# Altium PCB LimePSB-RPCM_1v4.PcbDoc (part 3 of 12) (continued)
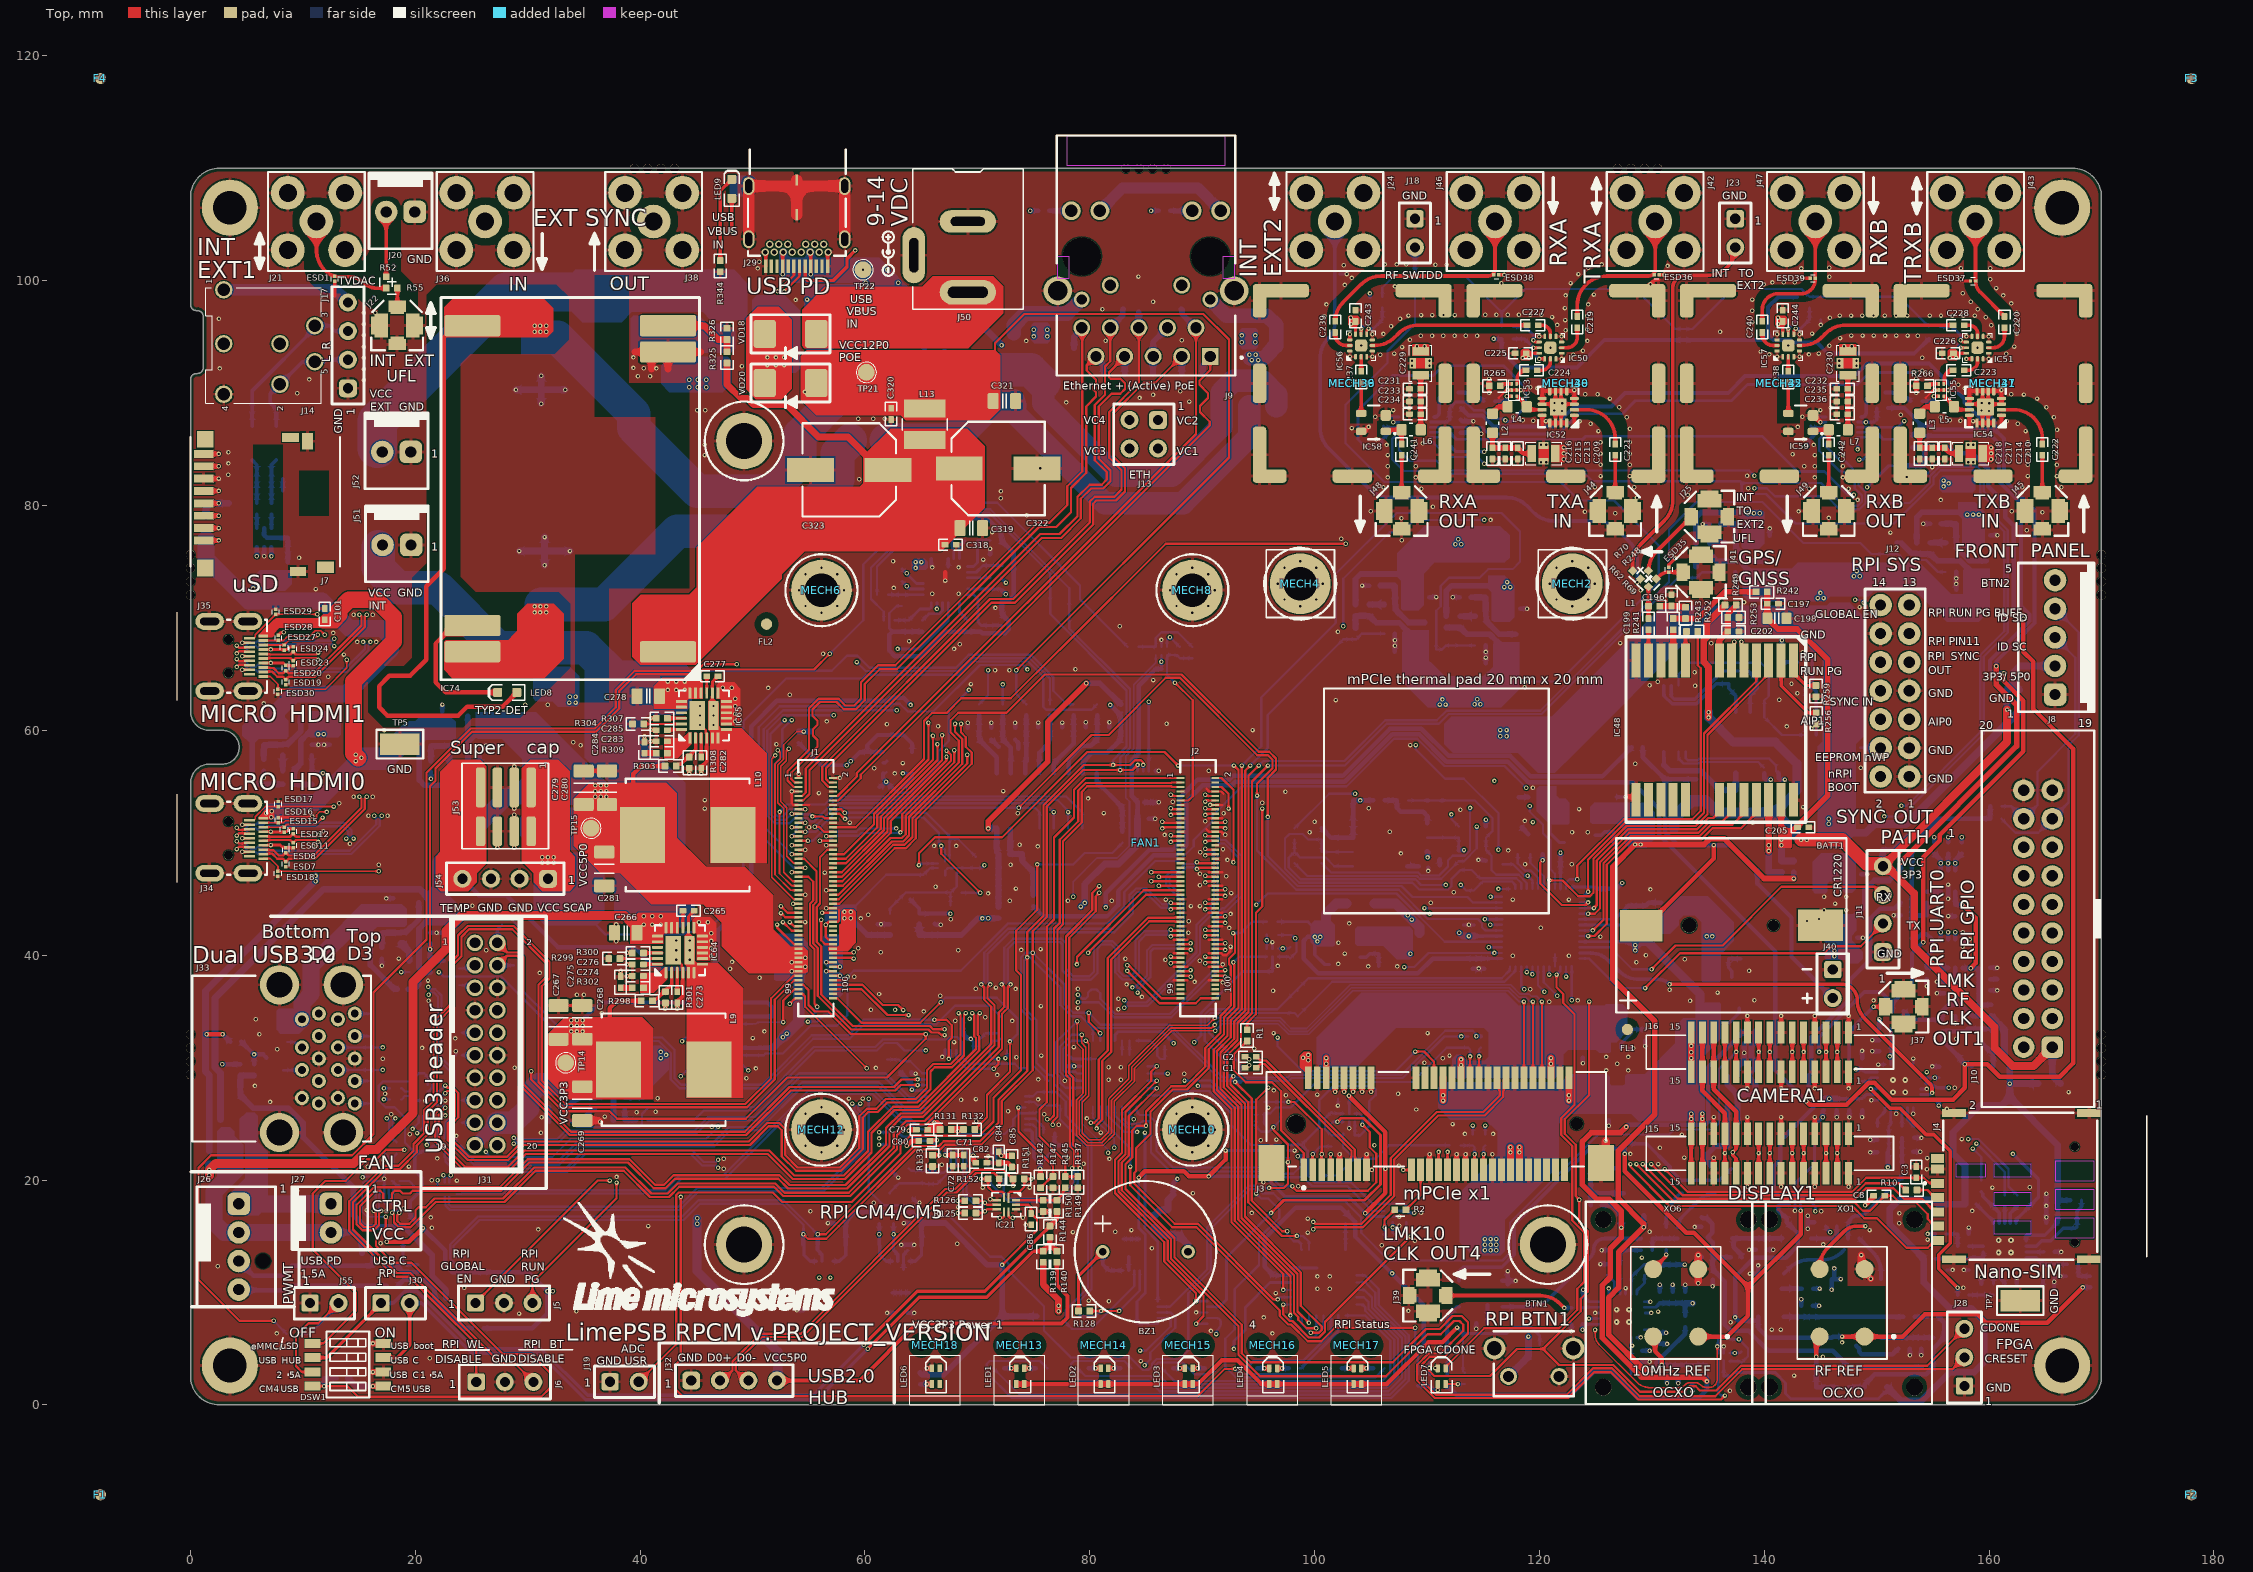
[diagram p0: Top view]
## Footprints (in the part's own frame and the unit in brackets; to place one, negate y for a bottom-side part, rotate by r counter-clockwise, add the part's x,y. Pads: shape width x height; smd on the part's side, far side on the other; paste and mask are expansions set on the pad) (continued)
SW_TACTILE_RIGHT_EDGE [mm] "part number 1825027-5"
  round 1.5 hole 1: 1(-2.25,-1.245) 2(2.25,-1.245)
  round 1.95 hole 1.3: Shield(-3.505,1.245) Shield(3.505,1.245)
  silkscreen extent -3.55,-3 3.56,2.77, body extent -4.2,-5.11 4.2,2.75, height 7
TMUX1204DGSR_ANALOG_SWITCH_10-TSSOP [mm]
  rrect25% 1.5x0.3 smd mask+0.05: 1(-2.2,1) 2(-2.2,0.5) 3(-2.2,0) 4(-2.2,-0.5) 5(-2.2,-1) 6(2.2,-1) 7(2.2,-0.5) 8(2.2,0) 9(2.2,0.5) 10(2.2,1)
  silkscreen extent -2.83,-1.5 1.5,1.62, body extent -2.45,-1.5 2.45,1.5, height 1.1
TP-SMD-LOW_PROFILE [mm] "SMD test point loop"
  rect 3.5x1.9 smd: 1(0,0)
  silkscreen extent -2.07,-1.28 2.07,1.28, body extent -1.6,-0.8 1.6,0.8, height 2
TP_PAD_1p5MM#1 [mm]
  round 1.5 smd mask+0.05: 1(0,0)
  silkscreen extent -0.9,-0.9 0.9,0.9
TP_PAD_1p5MM#2 [mm]
  round 1.5 smd paste-5 mask+0.05: 1(0,0)
  silkscreen extent -0.9,-0.9 0.9,0.9
TP_PAD_1P5MM [mm]
  round 1.5 smd paste-2 mask+0.05: 1(0,0)
  silkscreen extent -0.9,-0.9 0.9,0.9
TQP3M9018_PA_QFN16 [mm]
  rrect50% 0.8x0.3 smd mask+0.05: 1(-1.425,0.75) 2(-1.425,0.25) 3(-1.425,-0.25) 4(-1.425,-0.75) 9(1.425,-0.75) 10(1.425,-0.25) 11(1.425,0.25) 12(1.425,0.75)
  rrect50% 0.3x0.8 smd mask+0.05: 5(-0.75,-1.425) 6(-0.25,-1.425) 7(0.25,-1.425) 8(0.75,-1.425) 13(0.75,1.425) 14(0.25,1.425) 15(-0.25,1.425) 16(-0.75,1.425)
  rrect10% 1.5x1.5 smd mask+0.05: PAD(0,0)
  silkscreen extent -1.8,-1.8 1.8,1.83, body extent -1.5,-1.5 1.5,1.5, height 0.92
USB2517-JZX-TR_USB_HUB_QFN64 [mm]
  rrect50% 0.7x0.3 smd mask+0.05: 1(-4.375,3.75) 2(-4.375,3.25) 3(-4.375,2.75) 4(-4.375,2.25) 5(-4.375,1.75) 6(-4.375,1.25) 7(-4.375,0.75) 8(-4.375,0.25) 9(-4.375,-0.25) 10(-4.375,-0.75) 11(-4.375,-1.25) 12(-4.375,-1.75) 13(-4.375,-2.25) 14(-4.375,-2.75) 15(-4.375,-3.25) 16(-4.375,-3.75) 33(4.375,-3.75) 34(4.375,-3.25) 35(4.375,-2.75) 36(4.375,-2.25) 37(4.375,-1.75) 38(4.375,-1.25) 39(4.375,-0.75) 40(4.375,-0.25) 41(4.375,0.25) 42(4.375,0.75) 43(4.375,1.25) 44(4.375,1.75) 45(4.375,2.25) 46(4.375,2.75) 47(4.375,3.25) 48(4.375,3.75)
  rrect50% 0.3x0.7 smd mask+0.05: 17(-3.75,-4.375) 18(-3.25,-4.375) 19(-2.75,-4.375) 20(-2.25,-4.375) 21(-1.75,-4.375) 22(-1.25,-4.375) 23(-0.75,-4.375) 24(-0.25,-4.375) 25(0.25,-4.375) 26(0.75,-4.375) 27(1.25,-4.375) 28(1.75,-4.375) 29(2.25,-4.375) 30(2.75,-4.375) 31(3.25,-4.375) 32(3.75,-4.375) 49(3.75,4.375) 50(3.25,4.375) 51(2.75,4.375) 52(2.25,4.375) 53(1.75,4.375) 54(1.25,4.375) 55(0.75,4.375) 56(0.25,4.375) 57(-0.25,4.375) 58(-0.75,4.375) 59(-1.25,4.375) 60(-1.75,4.375) 61(-2.25,4.375) 62(-2.75,4.375) 63(-3.25,4.375) 64(-3.75,4.375)
  rect 4.7x4.7 smd mask+0.05: PAD(0,0)
  silkscreen extent -4.95,-4.95 4.95,4.95, body extent -4.5,-4.52 4.54,4.52, height 0.9
USB_POWER_DISTR_CYPD3177_QFN24 [mm]
  rect 0.781x0.239 smd paste+0 mask+0.05: 1(-1.966,1.25)
  rrect50% 0.781x0.239 smd paste+0 mask+0.05: 2(-1.966,0.75) 3(-1.966,0.25) 4(-1.966,-0.25) 5(-1.966,-0.75) 6(-1.966,-1.25) 13(1.966,-1.25) 14(1.966,-0.75) 15(1.966,-0.25) 16(1.966,0.25) 17(1.966,0.75) 18(1.966,1.25)
  rrect50% 0.239x0.781 smd paste+0 mask+0.05: 7(-1.25,-1.966) 8(-0.75,-1.966) 9(-0.25,-1.966) 10(0.25,-1.966) 11(0.75,-1.966) 12(1.25,-1.966) 19(1.25,1.966) 20(0.75,1.966) 21(0.25,1.966) 22(-0.25,1.966) 23(-0.75,1.966) 24(-1.25,1.966)
  rect 2.7x2.7 smd mask+0.05: 25(0,0)
  silkscreen extent -2.4,-2.4 2.4,2.4, body extent -2,-2 2,2, height 0.6

## Part data
BATT1: library part CR1220_BATTERY_HOLDER, Manufacturer="MPD (Memory Protection Devices)", Manufacturer Part Number 1=BC501SM, Operating Temperature="-40°C ~ 85°C", Supplier Part Number 1=BC501SM-ND, Battery Cell Size="Coin, 12.0mm", Battery Series=1220, Battery Type, Function="Coin Cell, Holder", Category="Battery Products", ComponentLink1Description=http://www.memoryprotectiondevices.com/datasheets/BC501SM-datasheet.pdf, ComponentLink1URL=http://www.memoryprotectiondevices.com/datasheets/BC501SM-datasheet.pdf, Height Above Board="0.157\" (4.00mm)", Mounting Type="PCB, Surface Mount", Number of Cells=1, Part Description="HOLDER COIN CELL FOR CR1220 SMD", Part Status=Active, Pricing 1="1=0.88, 10=0.81, 100=0.73, 500=0.68, 1000=0.59 (USD)", RoHS="RoHS Compliant", Stock 1=17830, Style="Holder (Open)", Supplier 1=Digi-Key, Termination Style="SMD (SMT) Tab"
BR1 BR2: library part KMB210S_RECTIFIER_BRIDGE, Manufacturer="SMC Diode Solutions", Supplier Part Number 1=1655-KMB210SCT-ND, Manufacturer Part Number 1=KMB210S, Part Description="Bridge Rectifier Single Phase Schottky 100 V Surface Mount MBS", Supplier 1=Digi-Key
BTN1: library part Button_right_edge, Manufacturer="CIT Relay & Switch", Manufacturer Part Number 1=CT1102V6.85F160, Supplier Part Number 1=2449-CT1102V6.85F160-ND, ComponentLink1Description=http://www.te.com/commerce/DocumentDelivery/DDEController?Action=srchrtrv&DocNm=1825027&DocType=Customer+Drawing&DocLang=English, ComponentLink1URL=http://www.te.com/commerce/DocumentDelivery/DDEController?Action=srchrtrv&DocNm=1825027&DocType=Customer+Drawing&DocLang=English, Part Description="Tactile Switch SPST-NO Side Actuated Through Hole, Right Angle", Pricing 1="1=0,17, 10=0,167, 25=0,1584, 100=0,1436, 250=0,13088, 500=0,12164, 1000=0,10377, 3000=0,1015 (USD)", RoHS=No, Stock 1=870, Supplier 1=Digikey
BZ1: library part BUZZER_WST-1203UX, Current - Supply=30mA, Frequency=2.3kHz, Manufacturer="Soberton Inc.", Operating Mode="Single Tone", Operating Temperature="-20°C ~ 60°C", Ratings=Washable, Supplier Part Number 1=433-1047-ND, Voltage Range="2 ~ 4V", Approvals=-, Category="Audio Products", ComponentLink1Description=http://cirlw3yrzg4afc1x47lv2k18.wpengine.netdna-cdn.com/wp-content/uploads/2016/12/WST-1203UX-new.pdf, ComponentLink1URL=http://cirlw3yrzg4afc1x47lv2k18.wpengine.netdna-cdn.com/wp-content/uploads/2016/12/WST-1203UX-new.pdf, Driver Circuitry="Indicator, Internally Driven", Duration=-, Height - Seated (Max)="0.303\" (7.70mm)", Input Type="Zero-Peak Signal", Manufacturer Part Number 1=WST-1203UX, Mounting Type="Through Hole", Packaging=Tray, Part Description="Buzzers Indicator, Internally Driven Magnetic 3V 30mA 2.3kHz 82dB @ 3V, 10cm Through Hole PC Pins", Part Status=Active, Port Location=Top, Pricing 1="1=1.41, 10=1.117, 25=1.0176, 50=0.9516, 100=0.8855, 250=0.80852, 500=0.7535, 1000=0.704, 5000=0.6875 (USD)", RoHS="RoHS Compliant", Size / Dimension="0.472\" Dia (12.00mm)", Sound Pressure Level (SPL)="82dB @ 3V, 10cm", Stock 1=22696, Supplier 1=Digi-Key, Technology=Magnetic, Termination="PC Pins"
C1 C2 C13 C19 C332 C333: library part Cap_0603, Capacitance="0.1 uF", Case Code - in=0402, Manufacturer="Murata Electronics", Manufacturer Part Number=GRM155R71C104KA88D, Maximum Operating Temperature="+ 125 C", Minimum Operating Temperature="- 55 C", Operating Temperature Range="- 55 C to + 125 C", Package / Case="0402 (1005 metric)", Supplier Part Number 1=81-GRM155R71C104KA88, Temperature Coefficient / Code="+/- 15 %", Tolerance="10 %", Voltage Rating DC="16 V", Brand="Murata Electronics", Category="Multilayer Ceramic Capacitors MLCC - SMD/SMT", Manufacturer Part Number 1=GRM155R71C104KA88D, Minimum Order Quantity=1, Packaging=Reel, Part Description="0.10µF ±10% 16V Ceramic Capacitor X7R 0402 (1005 Metric)", Product="General Type MLCCs", Product Category="Low & Medium Capacitance SMD Ceramic Chip Capacitors", Reeling=True, RoHS="RoHS Compliant", RoHS - Mouser=Y, Series=GRM, Standard Pack Qty=10000, Supplier 1=Mouser, Termination Style=SMD/SMT, Type="General Purpose MLCC"
C3 C26 C30 C70 C71 C76 C78 C85 C120 C127 C144 C156 C174 C183 C197 C213 C214 C231 C232 C261 C262 C304 C306 C307 C308 C314 C315 C316 C317 C325 C330 C331: library part Cap_0402, "CAP CER 1UF 10V X5R 0402", Manufacturer=Yageo, Manufacturer Part Number 1=CC0402MRX5R6BB105, Operating Temperature="-55°C ~ 85°C", Package / Case="0402 (1005 Metric)", Ratings=-, Supplier Part Number 1=311-1732-1-ND, Temperature Coefficient=X5R, Tolerance=±20%, Voltage - Rated=10V, Applications="General Purpose", Category=Capacitors, ComponentLink1Description=http://www.yageo.com/documents/recent/UPY-GPHC_X5R_4V-to-50V_25.pdf, ComponentLink1URL=http://www.yageo.com/documents/recent/UPY-GPHC_X5R_4V-to-50V_25.pdf, Failure Rate=-, Features=-, Height - Seated (Max)=-, Lead Spacing=-, Lead Style=-, Mounting Type="Surface Mount, MLCC", Notification="Current market demand for these product types have resulted in fluctuating and extending lead times. Lead times may differ.", Packaging="Cut Tape (CT)", Part Description="1µF 10V Ceramic Capacitor X5R 0402 (1005 Metric) 0.039\" L x 0.020\" W (1.00mm x 0.50mm)", Part Status=Active, Pricing 1="1=0.22, 10=0.156, 100=0.0732, 500=0.0513, 1000=0.04248, 2500=0.03953, 5000=0.03617 (USD)", RoHS="RoHS Compliant", Size / Dimension="0.039\" L x 0.020\" W (1.00mm x 0.50mm)", Stock 1=69600, Supplier 1=Digi-Key, Thickness (Max)="0.022\" (0.55mm)"
C4 C5 C6 C7 C22 C25 C88 C91 C93 C96: library part Cap_1206, Manufacturer="TDK Corporation", Manufacturer Part Number 1=C3216X6S1A476M160AC, Operating Temperature="-55°C ~ 105°C", Package / Case="1206 (3216 Metric)", Ratings=-, Supplier Part Number 1=445-6010-1-ND, Temperature Coefficient=X6S, Tolerance=±20%, Voltage - Rated=10V, Applications="General Purpose", Category=Capacitors, Failure Rate=-, Features="Low ESL", Height - Seated (Max)=-, Lead Spacing=-, Lead Style=-, Mounting Type="Surface Mount, MLCC", Notification="Current market demand for these product types have resulted in fluctuating and extending lead times. Lead times may differ.", Packaging="Cut Tape (CT)", Part Description="47µF ±20% 10V Ceramic Capacitor X6S 1206 (3216 Metric)", Part Status=Active, RoHS="RoHS Compliant", Size / Dimension="0.126\" L x 0.063\" W (3.20mm x 1.60mm)", Supplier 1=Digi-Key, Thickness (Max)="0.071\" (1.80mm)"
C8 C74 C75 C158 C159 C160 C162 C196: library part Cap_0402, Capacitance=22pF, Manufacturer=Yageo, Manufacturer Part Number 1=CC0402JRNPO9BN220, Operating Temperature="-55°C ~ 125°C", Package / Case="0402 (1005 Metric)", Ratings=-, Supplier Part Number 1=311-1018-2-ND, Temperature Coefficient="C0G, NP0", Tolerance=±5%, Voltage - Rated=50V, Applications="General Purpose", Category=Capacitors, Features=-, Height - Seated (Max)=-, Lead Spacing=-, Lead Style=-, Mounting Type="Surface Mount, MLCC", Packaging="Tape & Reel (TR)", Part Description="22pF ±5% 50V C0G, NP0 Ceramic Capacitor -55°C ~ 125°C Surface Mount, MLCC 0402 (1005 Metric) 0.039\" L x 0.020\" W (1.00mm x 0.50mm)", RoHS="RoHS Compliant", Size / Dimension="0.039\" L x 0.020\" W (1.00mm x 0.50mm)", Supplier 1=Digi-Key, Thickness (Max)="0.022\" (0.55mm)"
C9 C28 C31 C32 C33 C36 C37 C38 C39 C40 C41 C42 C43 C44 C46 C47 C49 C50 C53 C54 C56 C58 C60 C62 C63 C65 C67 C69 C87 C145 C157 C202 C204 C263 C264 C327: library part Cap_0603, Capacitance="0.1 uF", Case Code - in=0402, Case Code - mm=1005, Case Height="0.5 mm", Case Length="1 mm", Dielectric=X7R, Manufacturer="Murata Electronics", Manufacturer Part Number=GRM155R71C104KA88D, Maximum Operating Temperature="+ 125 C", Minimum Operating Temperature="- 55 C", Operating Temperature Range="- 55 C to + 125 C", Package / Case="0402 (1005 metric)", Supplier Part Number 1=81-GRM155R71C104KA88, Temperature Coefficient / Code="+/- 15 %", Tolerance="10 %", Voltage Rating DC="16 V", Brand="Murata Electronics", Case Width="0.5 mm", Category="Multilayer Ceramic Capacitors MLCC - SMD/SMT", Manufacturer Part Number 1=GRM155R71C104KA88D, Minimum Order Quantity=1, Packaging=Reel, Product="General Type MLCCs", Product Category="Low & Medium Capacitance SMD Ceramic Chip Capacitors", Reeling=True, RoHS="RoHS Compliant", RoHS - Mouser=Y, Series=GRM, Standard Pack Qty=10000, Supplier 1=Mouser, Termination Style=SMD/SMT, Type="General Purpose MLCC"
  C9 C28 C31 C32 C33 C36 C37 C38 C39 C40 C41 C42 C43 C44 C46 C47 C49 C50 C53 C54 C56 C58 C60 C62 C63 C65 C67 C69 C87 C145 C157 C263 C264 C327: Part Description="0.10µF ±10% 16V Ceramic Capacitor X7R 0402 (1005 Metric)"
  C202 C204: Part Description="0.10µF ±10% 16V X7R Ceramic Capacitor -55°C ~ 125°C Surface Mount, MLCC 0402 (1005 Metric) 0.039\" L x 0.020\" W (1.00mm x 0.50mm)"
C10 C14 C21 C163: library part Cap_0603, Capacitance="0.1 uF", Case Code - in=0402, Manufacturer="Murata Electronics", Manufacturer Part Number=GRM155R71C104KA88D, Supplier Part Number 1=81-GRM155R71C104KA88, Temperature Coefficient / Code="+/- 15 %", Tolerance="10 %", Voltage Rating DC="16 V", Brand="Murata Electronics", Category="Multilayer Ceramic Capacitors MLCC - SMD/SMT", Manufacturer Part Number 1=GRM155R71C104KA88D, Part Description="0.10µF ±10% 16V Ceramic Capacitor X7R 0402 (1005 Metric)", Supplier 1=Mouser, Type="General Purpose MLCC"
C11 C15 C17 C18 C20 C23 C24 C27 C35 C45 C48 C51 C52 C72 C73 C77 C79 C80 C81 C82 C83 C84 C86 C90 C92 C95 C97 C99 C100 C101 C102 C103 C104 C105 C106 C107 C108 C109 C110 C111 C114 C115 C116 C117 C118 C121 C125 C128 C133 C134 C135 C138 C139 C147 C151 C153 C164 C167 C168 C169 C170 C171 C172 C175 C179 C181 C182 C184 C189 C190 C193 C194 C195 C200 C201 C203 C205 C215 C217 C233 C235 C253 C254 C255 C256 C257 C258 C259 C260 C265 C277 C285: library part Cap_0402, Capacitance="0.1 uF", Case Code - in=0402, Case Code - mm=1005, Case Height="0.5 mm", Case Length="1 mm", Dielectric=X7R, Manufacturer="Murata Electronics", Manufacturer Part Number=GRM155R71C104KA88D, Maximum Operating Temperature="+ 125 C", Minimum Operating Temperature="- 55 C", Operating Temperature Range="- 55 C to + 125 C", Package / Case="0402 (1005 metric)", Supplier Part Number 1=81-GRM155R71C104KA88, Temperature Coefficient / Code="+/- 15 %", Tolerance="10 %", Voltage Rating DC="16 V", Brand="Murata Electronics", Case Width="0.5 mm", Category="Multilayer Ceramic Capacitors MLCC - SMD/SMT", Manufacturer Part Number 1=GRM155R71C104KA88D, Minimum Order Quantity=1, Packaging=Reel, Product="General Type MLCCs", Product Category="Low & Medium Capacitance SMD Ceramic Chip Capacitors", Reeling=True, RoHS="RoHS Compliant", RoHS - Mouser=Y, Series=GRM, Standard Pack Qty=10000, Supplier 1=Mouser, Termination Style=SMD/SMT, Type="General Purpose MLCC"
  C11 C15 C17 C18 C20 C23 C24 C27 C35 C45 C48 C51 C52 C72 C73 C77 C79 C80 C81 C82 C83 C84 C86 C90 C92 C95 C97 C99 C100 C101 C102 C103 C104 C105 C106 C107 C108 C109 C110 C111 C114 C115 C116 C117 C118 C121 C125 C128 C133 C134 C135 C138 C139 C147 C151 C153 C164 C167 C168 C169 C170 C171 C172 C175 C179 C181 C182 C184 C189 C190 C193 C194 C195 C200 C201 C203 C215 C217 C233 C235 C253 C254 C255 C256 C257 C258 C259 C260 C265 C277 C285: Part Description="0.10µF ±10% 16V Ceramic Capacitor X7R 0402 (1005 Metric)"
  C205: Part Description="0.10µF ±10% 16V X7R Ceramic Capacitor -55°C ~ 125°C Surface Mount, MLCC 0402 (1005 Metric) 0.039\" L x 0.020\" W (1.00mm x 0.50mm)"
C12 C112 C165: library part Cap_0603, Capacitance=10µF, Manufacturer=Yageo, Manufacturer Part Number 1=GRM188R61C106MA73D, Operating Temperature="-55°C ~ 85°C", Package / Case="0603 (1608 Metric)", Ratings=-, Supplier Part Number 1=490-7201-2-ND, Temperature Coefficient=X5R, Tolerance=±20%, Voltage - Rated=16V, Applications="General Purpose", Category=Capacitors, Features=-, Height - Seated (Max)=-, Lead Spacing=-, Lead Style=-, Mounting Type="Surface Mount, MLCC", Packaging="Tape & Reel (TR)", Part Description="10µF ±20% 16V Ceramic Capacitor X5R 0603 (1608 Metric)", RoHS="RoHS Compliant", Size / Dimension="0.063\" L x 0.031\" W (1.60mm x 0.80mm)", Supplier 1=Digi-Key, Thickness (Max)="0.039\" (1.00mm)"
C16 C34 C89 C94 C98 C136 C137 C191 C192 C249 C250 C251 C252 C273 C282: library part Cap_0402, Capacitance=1, Capacitance Tolerance="± 10%", Ceramic Capacitor Case="0402 [1005 Metric]", Dielectric Characteristic=X6, Manufacturer=Yageo, Manufacturer Part Number 1=CC0402MRX5R6BB105, Supplier Part Number 1=311-1732-1-ND, Voltage Rating=10, MSL=-, Part Description="1µF 10V Ceramic Capacitor X5R 0402 (1005 Metric) 0.039\" L x 0.020\" W (1.00mm x 0.50mm)", Product Range="TDK - C Series", RoHS=YES, Supplier 1=Digi-Key
C29 C55 C57 C59 C61 C64 C66 C68: library part Cap_0402, Capacitance=4.7µF, Manufacturer="Murata Electronics North America", Manufacturer Part Number=GRM155R60J475ME87D, Operating Temperature="-55°C ~ 85°C", Package / Case="0402 (1005 Metric)", Ratings=-, Supplier Part Number 1=490-5408-1-ND, Temperature Coefficient=X5R, Tolerance=±20%, Voltage - Rated=6.3V, Applications="General Purpose", Category=Capacitors, Features="Derating Recommended", Height - Seated (Max)=-, Lead Spacing=-, Lead Style=-, Manufacturer Part Number 1=GRM155R60J475ME87D, Mounting Type="Surface Mount, MLCC", Packaging="Cut Tape (CT)", Part Description="4.7µF ±20% 6.3V X5R Ceramic Capacitor -55°C ~ 85°C Surface Mount, MLCC 0402 (1005 Metric) 0.039\" L x 0.020\" W (1.00mm x 0.50mm)", RoHS="RoHS Compliant", Size / Dimension="0.039\" L x 0.020\" W (1.00mm x 0.50mm)", Supplier 1=Digi-Key, Thickness (Max)="0.022\" (0.55mm)"
C113 C122 C123 C129 C130 C131 C132 C140 C141 C142 C143 C146 C148 C149 C150 C166 C176 C177 C185 C186 C187 C188 C199 C206 C207 C208 C211 C212 C216 C218 C219 C220 C221 C222 C223 C224 C227 C228 C234 C236 C237 C238 C239 C240 C241 C242 C245 C246 C247 C248: library part Cap_0402, Capacitance=100pF, Manufacturer=Yageo, Manufacturer Part Number 1=CC0402JRNPO9BN101, Operating Temperature="-55°C ~ 125°C", Package / Case="0402 (1005 Metric)", Ratings=-, Supplier Part Number 1=311-1024-1-ND, Temperature Coefficient="C0G, NP0", Tolerance=±5%, Voltage - Rated=50V, Applications="General Purpose", Category=Capacitors, Features=-, Height - Seated (Max)=-, Lead Spacing=-, Lead Style=-, Mounting Type="Surface Mount, MLCC", Packaging="Cut Tape (CT)", Part Description="100pF ±5% 50V C0G, NP0 Ceramic Capacitor -55°C ~ 125°C Surface Mount, MLCC 0402 (1005 Metric) 0.039\" L x 0.020\" W (1.00mm x 0.50mm)", RoHS="RoHS Compliant", Size / Dimension="0.039\" L x 0.020\" W (1.00mm x 0.50mm)", Supplier 1=Digi-Key, Thickness (Max)="0.022\" (0.55mm)"
C119 C124 C173 C178: library part Cap_0402, "CAP CER 1UF 10V X5R 0402", Capacitance=1, Capacitance Tolerance="± 10%", Ceramic Capacitor Case="0402 [1005 Metric]", Dielectric Characteristic=X6, Manufacturer=Yageo, Manufacturer Part Number 1=CC0402MRX5R6BB105, Supplier Part Number 1=311-1732-1-ND, Voltage Rating=10, MSL=-, Part Description="1µF 10V Ceramic Capacitor X5R 0402 (1005 Metric) 0.039\" L x 0.020\" W (1.00mm x 0.50mm)", Product Range="TDK - C Series", RoHS=YES, Supplier 1=Digi-Key
C126 C180: library part Cap_0402, Capacitance=0.018µF, Manufacturer=Yageo, Manufacturer Part Number 1=CC0402KRX7R7BB183, Operating Temperature="-55°C ~ 125°C", Package / Case="0402 (1005 Metric)", Supplier Part Number 1=311-1706-1-ND, Temperature Coefficient=X7R, Tolerance=±10%, Voltage - Rated=16V, Applications="General Purpose", Category=Capacitors, Mounting Type="Surface Mount, MLCC", Packaging="Cut Tape (CT)", Part Description="0.018µF ±10% 16V Ceramic Capacitor X7R 0402 (1005 Metric)", Part Status=Active, RoHS="RoHS Compliant", Size / Dimension="0.039\" L x 0.020\" W (1.00mm x 0.50mm)", Supplier 1=Digi-Key, Thickness (Max)="0.022\" (0.55mm)"
C152 C154 C155 C299 C300 C311 C312: library part Cap_0402, Manufacturer="Murata Electronics North America", Manufacturer Part Number 1=GCM155R71H102KA37D, Operating Temperature="-55°C ~ 125°C", Package / Case="0402 (1005 Metric)", Ratings=AEC-Q200, Supplier Part Number 1=490-4761-1-ND, Temperature Coefficient=X7R, Tolerance=±10%, Voltage - Rated=50V, Applications=Automotive, Category=Capacitors, Features=-, Height - Seated (Max)=-, Lead Spacing=-, Lead Style=-, Mounting Type="Surface Mount, MLCC", Packaging="Cut Tape (CT)", Part Description="1000pF ±10% 50V Ceramic Capacitor X7R 0402 (1005 Metric)", Part Status=Active, RoHS="RoHS Compliant", Size / Dimension="0.039\" L x 0.020\" W (1.00mm x 0.50mm)", Supplier 1=Digi-Key, Thickness (Max)="0.022\" (0.55mm)"
C161: library part Cap_0402, Capacitance=220pF, Manufacturer=Yageo, Manufacturer Part Number 1=CC0402KRX7R9BB221, Operating Temperature="-55°C ~ 125°C", Package / Case="0402 (1005 Metric)", Ratings=-, Supplier Part Number 1=311-1035-2-ND, Temperature Coefficient=X7R, Tolerance=±10%, Voltage - Rated=50V, Applications="General Purpose", Category=Capacitors, Features=-, Height - Seated (Max)=-, Lead Spacing=-, Lead Style=-, Mounting Type="Surface Mount, MLCC", Packaging="Tape & Reel (TR)", Part Description="220pF ±10% 50V X7R Ceramic Capacitor -55°C ~ 125°C Surface Mount, MLCC 0402 (1005 Metric) 0.039\" L x 0.020\" W (1.00mm x 0.50mm)", RoHS="RoHS Compliant", Size / Dimension="0.039\" L x 0.020\" W (1.00mm x 0.50mm)", Supplier 1=Digi-Key, Thickness (Max)="0.022\" (0.55mm)"
C198: library part Cap_0603, Capacitance=10µF, Manufacturer=Yageo, Manufacturer Part Number 1=CC0603MRX5R5BB106, Package / Case="0603 (1608 Metric)", Supplier Part Number 1=311-1448-2-ND, Tolerance=±20%, Voltage - Rated=6.3V, Category=Capacitors, Part Description="10µF ±20% 6.3V X5R Ceramic Capacitor -55°C ~ 85°C Surface Mount, MLCC 0603 (1608 Metric) 0.063\" L x 0.031\" W (1.60mm x 0.80mm)", Supplier 1=Digi-Key
C209 C210 C229 C230: library part Cap_feed_through, Capacitance=470nF, Case/Package=0805, Case Code (Metric)=2012, Current=2A, DC Resistance (DCR)=30mR, Insulation Resistance=1GR, Manufacturer=Murata, Manufacturer Part Number 1=NFM21PC474R1C3D, Max Operating Temperature=125°C, Max Voltage Rating (DC)=16V, Min Operating Temperature=-55°C, Package Quantity=1, Supplier Part Number 1=490-2537-1-ND, Tolerance=20%, Case Code (Imperial)=0805, Current Rating=2A, Depth=1.25mm, Height=0.85mm, Lead Free="Lead Free", Length=2mm, Max Current Rating=2A, Mount="Surface Mount,PCB", Packaging="Tape and Reel", Part Description="0.47µF Feed Through Capacitor 16V 2A 30mOhm 0805 (2012 Metric), 3 PC Pad", Pricing 1="1=0,25000, 10=0,22900, 25=0,21840, 50=0,21160, 100=0,20450, 250=0,19392, 500=0,16218, 1000=0,12586 (USD)", Radiation Hardening=No, REACH SVHC="No SVHC", RoHS=Yes, Stock 1=220606, Supplier 1=Digi-Key, Termination=Flat, Voltage=16V, Voltage Rating=16V, Voltage Rating (DC)=16V, Weight=0.000194oz, Width=1.25mm
C225 C226 C243 C244: library part Cap_0402, Manufacturer="Murata Electronics North America", Manufacturer Part Number 1=GRM155R71H103KA88D, Operating Temperature="-55°C ~ 125°C", Package / Case="0402 (1005 Metric)", Ratings=-, Supplier Part Number 1=490-4516-2-ND, Temperature Coefficient=X7R, Tolerance=±10%, Voltage - Rated=50V, Applications="General Purpose", Category=Capacitors, ComponentLink1Description=http://www.murata.com/~/media/webrenewal/support/library/catalog/products/capacitor/mlcc/c02e.ashx?la=en-us, ComponentLink1URL=http://www.murata.com/~/media/webrenewal/support/library/catalog/products/capacitor/mlcc/c02e.ashx?la=en-us, Features=-, Height - Seated (Max)=-, Lead Spacing=-, Lead Style=-, Mounting Type="Surface Mount, MLCC", Packaging="Tape & Reel (TR)", Part Description="10000pF ±10% 50V Ceramic Capacitor X7R 0402 (1005 Metric)", Part Status=Active, Pricing 1="10000=0.00185, 20000=0.00176, 30000=0.00167 (USD)", RoHS="RoHS Compliant", Size / Dimension="0.039\" L x 0.020\" W (1.00mm x 0.50mm)", Stock 1=10970000, Supplier 1=Digi-Key, Thickness (Max)="0.022\" (0.55mm)"
C266 C270 C278 C319 C321: library part Cap_0603, Capacitance=10uF, Case/Package=0805, Case Code (Metric)=2012, Dielectric=X5R, Manufacturer=Murata, Manufacturer Part Number 1=GRM21BR61E106KA73K, Max Operating Temperature=85°C, Min Operating Temperature=-55°C, Package Quantity=10000, Supplier Part Number 1=490-16824-1-ND, Tolerance=10%, Voltage Rating=25V, Case Code (Imperial)=0805, ComponentLink1Description=http://www.mouser.com/ds/2/281/c02e-2905.pdf?src-supplier=Mouser, ComponentLink1URL=http://www.mouser.com/ds/2/281/c02e-2905.pdf?src-supplier=Mouser, ComponentLink2Description=http://search.murata.co.jp/Ceramy/image/img/A01X/G101/ENG/GRM21BR61E106KA73-01.pdf?src-supplier=Digi-Key, ComponentLink2URL=http://search.murata.co.jp/Ceramy/image/img/A01X/G101/ENG/GRM21BR61E106KA73-01.pdf?src-supplier=Digi-Key, ComponentLink3Description=https://search.murata.co.jp/Ceramy/image/img/A01X/G101/ENG/GRM21BR61E106KA73-01.pdf?src-supplier=Digi-Key, ComponentLink3URL=https://search.murata.co.jp/Ceramy/image/img/A01X/G101/ENG/GRM21BR61E106KA73-01.pdf?src-supplier=Digi-Key, Length=0.079inch, Mount="Surface Mount", Packaging="Tape and Reel", Part Description="CAP CER 10UF 25V X5R 0805", Pricing 1="1=0,19, 10=0,13, 50=0,0778, 100=0,0656, 500=0,0449, 1000=0,03972, 2500=0,038, 5000=0,03454 (USD)", RoHS=Yes, RoHS Compliant=Yes, Series=GRM, Stock 1=781136, Supplier 1=Digi-Key, Thickness=0.055inch, Voltage Rating (DC)=25V, Weight=0.000335oz, Width=0.049inch
C267 C268 C279 C280: library part Cap_1206, Manufacturer="Samsung Electro-Mechanics", Manufacturer Part Number=CL31A476MQHNNNE, Operating Temperature="-55°C ~ 85°C", Package / Case="1206 (3216 Metric)", Ratings=-, Supplier Part Number 1=1276-1167-1-ND, Temperature Coefficient=X5R, Tolerance=±20%, Voltage - Rated=6.3V, Applications="General Purpose", Category=Capacitors, Features=-, Height - Seated (Max)=-, Lead Spacing=-, Lead Style=-, Manufacturer Part Number 1=CL31A476MQHNNNE, Mounting Type="Surface Mount, MLCC", Notification="Current market demand for these product types have resulted in fluctuating and extending lead times. Lead times may differ.", Packaging="Cut Tape (CT)", Part Description="47µF ±20% 6.3V Ceramic Capacitor X5R 1206 (3216 Metric)", Part Status=Active, RoHS="RoHS Compliant", Size / Dimension="0.126\" L x 0.063\" W (3.20mm x 1.60mm)", Supplier 1=Digi-Key, Thickness (Max)="0.071\" (1.80mm)"
C269 C281: library part Cap_1206, Capacitance Tolerance="± 20%", Ceramic Capacitor Case="1206 [3216 Metric]", Manufacturer=MURATA, Manufacturer Part Number 1=GRM31CR60J107ME39L., Supplier Part Number 1=1735535, Voltage Rating=6.3, Part Description="SMD Multilayer Ceramic Capacitor, 1206 [3216 Metric], 100 µF, 6.3 V, ± 20%, X5R, GRM Series", Supplier 1=Farnell